# Altium PCB KS_V3S.PcbDoc (continued)
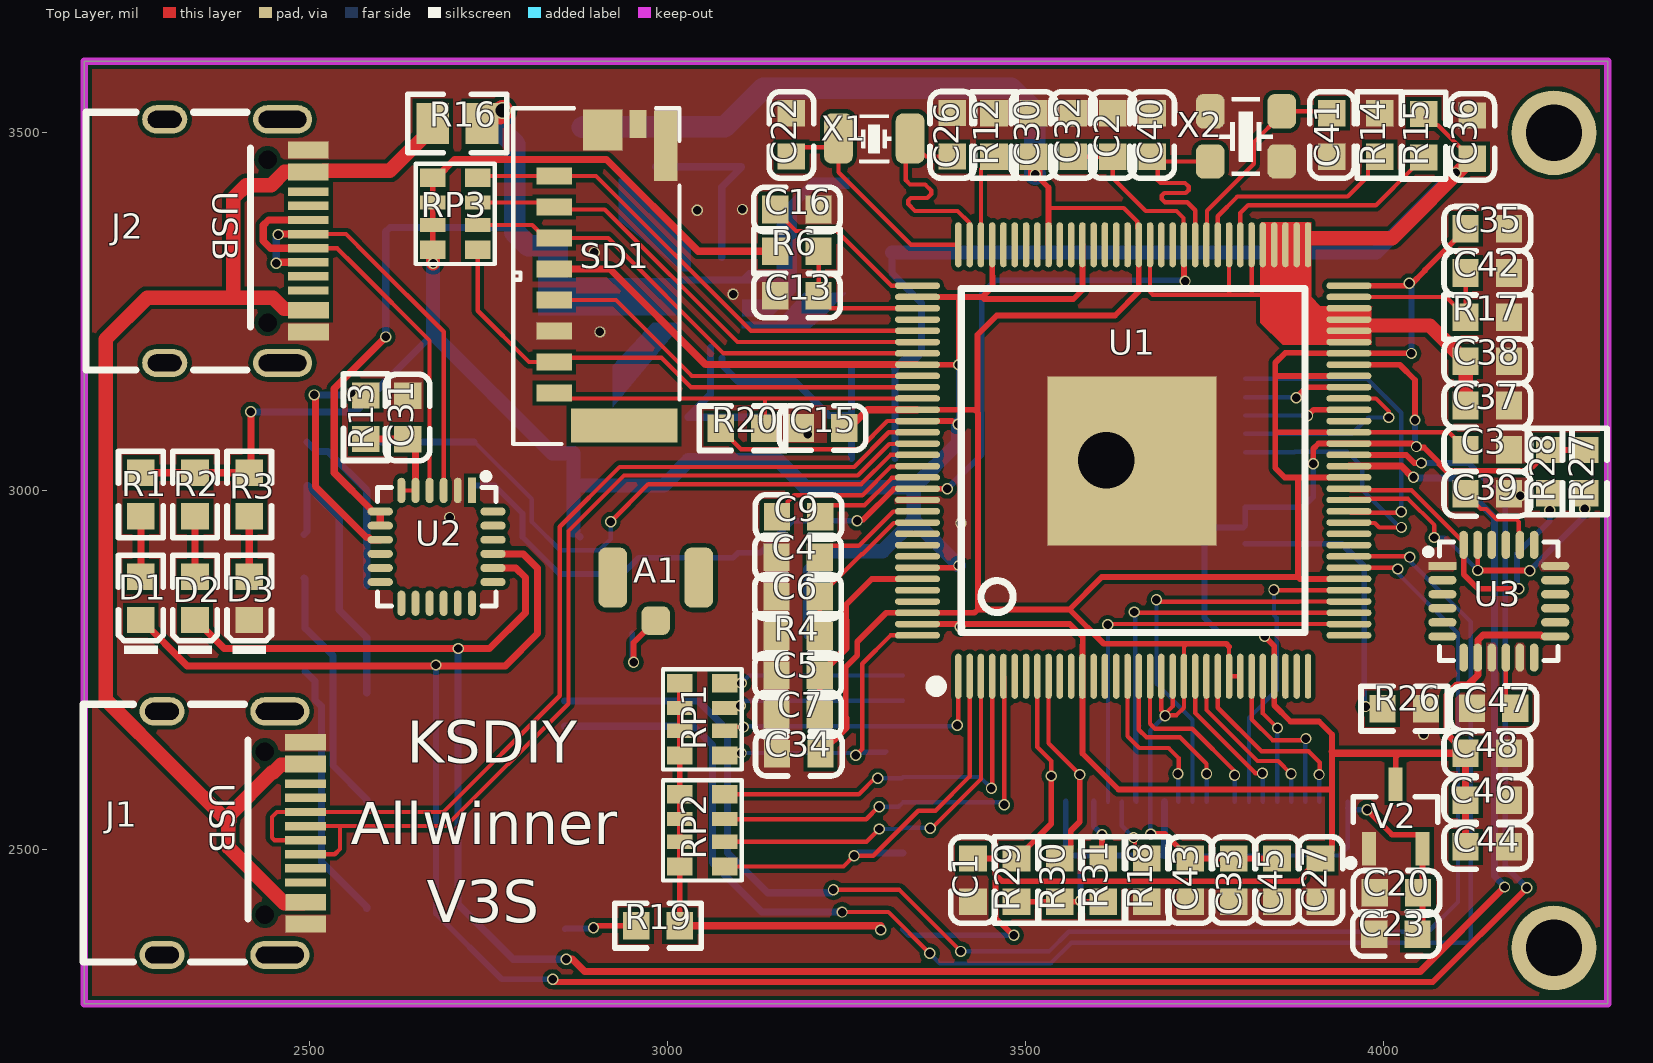
[diagram p0: Top Layer view]
## Nets (pads, with @x,y where several pads share a name; then routed paths per layer and width w, separated by ;. In a path a pad name is that pad's centre, name@x,y a point inside that pad or via, vN(x,y) a via of type N, cw(c..) or ccw(c..) an arc to the next point about the centre after c; other vN are vias at no path point)
1V2: C3.1 C11.2 C12.1 C15.2 C30.1 C33.2 C34.2 C35.2 C43.2 C45.2 FPC_1.15 L1.2 R5.2 U1.19 U1.20 U1.21 U1.25 U1.26 U1.38 U1.47 U1.51 U1.56 U1.58 U1.64 U1.80 U1.88 U1.108 U1.126 | length 5013
  Top Layer w6: 3532.39,3395.18 3637.22,3395.18 3656.15,3376.26 U1.80@3656.15,3367 ; U1.19 3689.87,2693.77 3695,2688.64 3705.62,2699.25 U1.20 ; v1(3695,2686) 3696,2687 3711,2687 3721.36,2697.36 U1.21 3721.36,2782.36 3725.68,2786.68 ; 3784.36,2782.64 U1.25 U1.26 ; U1.51 4091.49,3081.84 4114.68,3058.65 C3.1
  Top Layer w8: C34.2 C34.2@3223,2642.04 ; C15.2@3247.26,3077.8 3247.26,3078.79 C15.2@3251.82,3083.35 ; 3249.1,2683 3249.1,2754.19 3265.34,2770.43 3265.34,2789.42 3305.79,2829.87 U1.126 3429.12,2829.87 3433.8,2834.56 ; U1.108 3429.12,3113.34 3433,3109.45 ; v1(3514,3442) 3532.39,3423.61 3532.39,3395.18 U1.88 ; U1.80 3658.37,3278.37 3625,3245 3460,3245 3433,3218 3433,3109.45 ; v2(3675,2521) 3695.05,2521 3729.1,2486.95 C43.2 C45.2 ; 3784.36,2782.64 3780.32,2786.68 3725.68,2786.68 3609.32,2786.68 3561.44,2834.56 ; U1.38 3883.3,2877.12 3880.55,2879.87 ; U1.47 3880.55,3018.85 ; U1.51 3849.84,3081.84 3849,3081 ; U1.56 3849.58,3160.58 3849,3160 ; U1.64 v1@4036,3286.57 ; v1@4038.18,3287.82 4058,3307.64 4058,3308.33 4114.69,3365.02 C35.2 ; v1(4039,3192) 4038.92,3192.08 U1.58 3894.19,3192.08 3893.27,3193 3863,3193 3849,3179 3849,3160 ; 3433,3109.45 3433.8,3108.65 3433.8,2834.56 ; 3433.8,2834.56 3561.44,2834.56 ; 3561.44,2834.56 3606.75,2879.87 3880.55,2879.87 ; 3849,3081 3849,3160 ; 3849,3081 3849,3032 3862.15,3018.85 3880.55,3018.85 ; 3880.55,2879.87 3880.55,3018.85
  Top Layer w10: C34.2 3214,2634.02 3249.1,2669.13 3249.1,2683 ; C15.2@3254.77,3087.59 3254.77,3088.57 3279.53,3113.34 U1.108
  Top Layer w20: C30.1 3514,3464.08 v1(3514,3442)
  Bottom Layer w6: v2@3674.37,2521 FPC_1.15 3674.37,2665.37 v1(3695,2686)
  Bottom Layer w8: v1(4036,3290) 4039,3287 v1(4039,3192)
  Bottom Layer w10: L1.2 L1.2@2881.42,3507.57
  Bottom Layer w30: L1.2@2881.42,3507.57 2882.56,3508.71 3080.3,3508.71 3134,3562.4 3480.6,3562.4 3513,3530 3513,3443 v1(3514,3442)
1V8: C24.2 C25.1 C36.2 C37.2 C38.2 L3.2 R10.2 R15.1 U1.59 U1.60 U1.61 U1.62 U1.65 U1.66 U1.67 U1.68 U1.69 U1.70 U1.72 U1.79 | length 2164.9
  Top Layer w6: U1.79 3674,3343.57 3674,3278 3678,3274 3787,3274 ; U1.72 3784.36,3276.64 3787,3274 ; U1.70 3815.85,3277.15 3819,3274 ; 3835,3293 3836,3294 ; 3836,3275 3835,3274 3819,3274 ; R15.1 4071.31,3511.01 4075.69,3511.01 4123.02,3463.69 C36.2 ; 3787,3274 3819,3274
  Top Layer w20: 3871,3353 4012.33,3353 C36.2@4123.02,3463.69 ; 3946,3231 4064.68,3231 4098.68,3197 C38.2@4105.39,3190.29 ; C37.2 C38.2
  Bottom Layer w10: L3.2 3314,3303.47 3355,3262.47 3355,3193 3345.52,3183.52 3330.45,3183.52 C24.2 3317.77,3169.58 C25.1
  Bottom Layer w20: L3.2 3990,3333 v1(4101,3444)
2V8: C20.1 C23.1 FPC_1.1 FPC_1.14 FPC_1.21 R29.2 R30.2 R31.1 V2.2 | length 1049.4
  Top Layer w8: R29.2 R31.1 ; v1(3977,2555) 4011.83,2520.17 4048.48,2520.17 4054.32,2514.32 V2.2 4054.32,2387.95 C23.1
  Bottom Layer w6: 3694,2491 3939,2491 3949.96,2501.96 3949.96,2556.91 FPC_1.1
  Bottom Layer w8: FPC_1.21 3556.26,2500.74 3566,2491 3577,2491 ; v2(3577,2428) 3577,2491 ; 3694,2491 3577,2491 ; FPC_1.1@3949.96,2556.91 3951.87,2555 v1(3977,2555)
  Bottom Layer w10: 3694,2491 3694.06,2491.06 FPC_1.14
3V0: C2.1 C28.1 C29.1 C32.1 R21.1 U1.76 U1.115 V1.2 | length 1661
  Top Layer w6: C32.1 C2.1 3621.8,3437.2 3668,3391 3711,3391 3720.78,3381.22 3720.78,3344.27 U1.76
  Top Layer w8: v1(3265.03,2958.44) 3266.51,2959.92 3273.64,2959.92 3316.62,3002.9 3349.08,3002.9 U1.115 3390.9,3003.1 v1(3391,3003) ; U1.76 3721.57,3343.48 3721.57,3294.43 v1(3723,3293)
  Bottom Layer w8: R21.1 2758.71,3007.69 2797.99,2968.41 2797.99,2935.63 2849.62,2884 2937.4,2884 2953.11,2899.71 2960,2906.6 3034,2906.6 3091.91,2906.6 3099,2913.68 3129.68,2913.68 3174.44,2958.44 v1(3265.03,2958.44) ; v1(3391,3003) 3439,3051 3439,3275 3458,3294 3722,3294 v1(3723,3293)
3V3: C1.2 C18.2 C19.1 C27.1 C44.2 C46.2 C48.2 L2.2 R1.1 R2.1 R3.1 R6.2 R8.2 R19.1 R20.1 R27.2 R28.2 RP1.5 RP1.6 RP1.7 RP1.8 RP2.5 RP2.6 RP2.7 RP2.8 RP3.1 RP3.2 RP3.3 RP3.4 SD1.4 ST7789.3 ST7789.4 U1.12 U1.29 U1.50 U1.57 U1.85 U1.93 U1.98 U1.104 U1.109 U1.122 U1.127 U3.8 U3.13 U4.9 U4.22 V1.3 V2.3 | length 8747.5
  Top Layer w6: R20.1 3074.54,3086.61 3102.85,3058.3 3267.95,3058.3 3307.24,3097.59 U1.109
  Top Layer w8: RP3.4 RP3.3 RP3.2 RP3.1 ; R19.1 3017.5,2393.19 RP2.8 RP2.7 RP2.6 RP2.5 RP1.6 RP1.5 ; U1.127 3404,2814.13 3407.94,2810.19 v1(3408.87,2810.19) ; U1.122 v1@3401.31,2892.87 ; U1.109 3397.41,3097.59 ; U1.104 3349.45,3176.17 3406.83,3176.17 v1(3407,3176) 3407,3270.82 ; U1.98 3407,3270.82 ; v1@3408.87,2814.13 3562.08,2814.13 3580,2796.2 3580,2784.88 3579.83,2784.72 3579.83,2741.46 U1.12 3579.63,2633.37 3630,2583 3925,2583 3928,2586 ; C1.2 3453.56,2486.95 3458.24,2482.26 3458.24,2464.5 3459,2463.74 3459,2457.89 3460.07,2456.82 ; U1.93 3453.85,3343.48 3453.85,3300.23 3454,3300.08 3454,3285 3439.82,3270.82 ; 3458.24,2455 3458.24,2403.87 3482.51,2379.6 v2(3483.99,2379.6) ; 3462.99,2459.75 3467.74,2455 3883,2455 3888.66,2460.66 3888.66,2464.59 3911.01,2486.95 C27.1 ; U1.85 3579.63,3280.63 3567,3268 3442.64,3268 3439.82,3270.82 ; v1(3834,2797) 3847.35,2783.65 U1.29 3847.35,2700.65 3870,2678 3910,2678 3928,2660 3928,2636 3928,2586 ; v1(3902,3038) 3902,3059 3909.09,3066.09 U1.50 4039.81,3066.09 4043.9,3062 v1(4046,3062) 4047.48,3060.52 4056.76,3060.52 4078.07,3039.21 4078.07,3037.27 4086.97,3028.38 4202.08,3028.38 4211.05,3037.35 4231.02,3057.32 R28.2 R27.2 ; C27.1@3920,2491 3928,2499 3928,2586 ; U1.57 4022.67,3176.33 4044,3155 v1(4044,3099) ; V2.3 4016.92,2628.08 4022.51,2633.67 ; 3407,3270.82 3439.82,3270.82
  Top Layer w10: R1.1 R2.1 R3.1 2418.58,3027.57 v1(2418.58,3110.45) ; RP3.1 2677.43,3437.39 2702.8,3462.76 2915.24,3462.76 3043.26,3334.74 R6.2 ; SD1.4 2920.16,3309.84 3053.67,3176.33 U1.104 ; R19.1 v1@3295,2393 ; v1(3298,2387) 3298,2388.56 3295,2391.56 v1@3295,2393 ; v1@3298,2393 v1@3295,2393 ; 3928,2636 3930.33,2633.67 4022.51,2633.67 C48.2 ; C44.2 C46.2 C48.2 ; U3.13@4222,2797 4220,2799 4139,2799 4132,2792 4132,2743 4118.29,2729.29 4102.98,2729.29 4088.62,2714.93 4088.62,2660.71 4114.69,2634.65 C48.2
  Top Layer w20: RP3.4 2673,3336.11 v1(2673,3318)
  Bottom Layer w8: U4.22 3337.68,2379.6 v2(3483.99,2379.6) ; v1(3406,3093) 3407,3094 v1(3407,3176) ; v1(3407.18,2895.91) 3408.87,2894.22 v1(3408.87,2810.19) ; v1(3834,2797) 3828,2803 3770,2803 3750,2823 3750,2938 3760.93,2948.93 3804.11,2948.93 ST7789.3 ST7789.4 3887.41,2977.41 3902,2992 v1(3902,3038) ; v1(4044,3099) 4044,3064 v1(4046,3062)
  Bottom Layer w10: v1(2418.58,3110.45) 2564.23,3110.45 2673,3219.22 ; V1.3@2877,2937 V1.3 ; C18.2 3029.47,3042.84 3029.63,3042.69 C19.1
  Bottom Layer w20: v1(2673,3318) 2673,3219.22 2839.47,3052.75 L2.2 2869,3008.14 ; V1.3@2869,2945 2869,3008.14 ; C18.2 3029.32,3042.02 2995.01,3007.71 2869.43,3007.71 2869,3008.14 ; C18.2@3029.47,3042.84 3153.84,3042.84 C19.1 3154.98,3042.69 3192.67,3005 3344,3005 ; U4.9 3199.3,2889.3 3226,2916 3300.92,2916 3344,2959.08 ; v1(3406,3093) 3406,3067 3344,3005 ; v1(3407.18,2895.91) 3344,2959.08 ; 3344,2959.08 3344,3005
5V: C10.1 C14.1 C17.1 C21.1 EA1.7 EA1.8 EA1.9 EA1.10 EA1.16 EA1.18 EA1.19 R16.1 U2.7 U2.8 | length 1050.3
  Top Layer w10: U2.8 U2.7 2587.33,2971.21 2586.86,2971.69 2586.86,2973.48 2535,3025.34 2535,3143 v1(2607,3215)
  Top Layer w30: R16.1 2741.45,3519.1 2749.28,3526.94 2765.94,3526.94 v3(2770,3531)
  Bottom Layer w10: v1(2607,3215) 2607,3362.14 2612.86,3368 2780,3368 2787,3361 ; 3014,3289 3019.5,3294.5 EA1.16
  Bottom Layer w30: v3(2770,3531) 2770,3501 2787,3484 2787,3361 2805.71,3342.29 2836.38,3342.29 2839.68,3338.98 C17.1
5V_IN: J1.A4 J1.A9 J1.B4 J1.B9 J2.A4 J2.A9 J2.B4 J2.B9 R16.2 | length 1762.4
  Top Layer w20: 2394,3270 2394,3409 2412,3427 2447.16,3427 2465.65,3445.49 J2.A4@2478.92,3445.49 ; J1.B9@2475.75,2617.67 2460.63,2617.67 2450.16,2607.2 2448.26,2607.2 2388.31,2547.24 2388.31,2539.08 2386.89,2537.65 ; J2.B4@2477.38,3254.08 2465.28,3254.08 2449.54,3269.81 2394,3269.81 2273.81,3269.81 2216,3212 2216,2708.54 2312.79,2611.75 2386.89,2537.65 ; J1.B4@2494.2,2426.87 2491.67,2424.34 2465.3,2424.34 2386.89,2502.75 2386.89,2537.65 ; J2.A4@2519.86,3446.51 2520.35,3447 2612.65,3447 2672.55,3506.9 R16.2
D+: J1.A6 J1.B6 U1.111 | length 1300.2
  Top Layer w6: J1.B6 2535.68,2492.68 2543,2500 2543,2531.06 2544,2532.06 ; J1.A6 2544,2532.06 ; U1.111 3348.7,3065.51 3309.93,3065.51 3265.91,3021.48 2939.48,3021.48 2862,2944 2862,2703 2691.06,2532.06 2544,2532.06
D-: J1.A7 J1.B7 U1.110 | length 1339.1
  Top Layer w6: J1.A7 2451.63,2512.37 2448.1,2515.9 2448.1,2544.71 2455.14,2551.74 J1.B7 2687.74,2551.74 2850,2714 2850,2950 2933.48,3033.48 3260.94,3033.48 3309.3,3081.84 U1.110
"DCMI RST": FPC_1.19 R31.2 | length 84.8
  Top Layer w8: v2(3607,2520) 3607,2488.76 R31.2
  Bottom Layer w8: FPC_1.19 3595.63,2531.37 v2(3607,2520)
EPHY-LINK-LED: U1.77
EPHY-RTX: R12.2 U1.94 | length 131.2
  Top Layer w6: U1.94 3437.9,3449.37 3455.22,3466.68 R12.2
EPHY-RXN: U1.89
EPHY-RXP: U1.90
EPHY-SPD-LED: U1.78
EPHY-TXN: U1.91
EPHY-TXP: U1.92
GLED: D2.K U1.48 U2.20 | length 3258.7
  Top Layer w10: D2.K 2341.65,2819.69 2381.34,2780 v1(2708,2780) 2752,2780 2802,2830 2802,2879 2788.53,2892.47 U2.20 ; v1(2858.78,2346.15) 2867.85,2346.15 2884.76,2329.24 4051.24,2329.24 v1(4169,2447) ; U1.48 3951.91,3034.8 4025.03,3034.8 4040.9,3018.93 v1(4041.9,3018.93)
  Bottom Layer w10: v1(2708,2780) 2708,2423 2784.85,2346.15 v1(2858.78,2346.15) ; v1(4041.9,3018.93) 4042.9,3017.93 4099.76,3017.93 4155,2962.69 4155,2462.56 4169,2448.56 v1(4169,2447)
GND: C1.1 C2.2 C3.2 C4.2 C5.1 C6.2 C7.1 C8.2 C10.2 C11.1 C13.2 C14.2 C15.1 C16.2 C17.2 C18.1 C20.2 C21.2 C22.2 C23.2 C24.1 C26.2 C27.2 C28.2 C29.2 C30.2 C31.2 C32.2 C33.1 C34.1 C35.1 C36.1 C37.1 C38.1 C39.2 C40.2 C41.2 C42.2 C43.1 C44.1 C45.1 C46.1 C47.1 C48.1 D3.K EA1.1 EA1.4 EA1.5 EA1.12 EA1.13 EA1.15 EA1.17 EA1.21 FPC_1.2 FPC_1.10 FPC_1.23 J1.A1 J1.A12 J1.B1 J1.B12 J2.A1 J2.A12 J2.B1 J2.B12 R4.2 R7.1 R9.1 R11.1 R12.1 R14.1 R17.1 R18.2 R26.2 S1.1 S2.1 S3.1 S4.1 SD1.6 SD1.10 ST7789.1 ST7789.5 ST7789.6 ST7789.12 U1.116 U1.129 U2.2 U3.1 U3.9 U3.11 U3.18 U4.1 U4.3 U4.20 U4.31 U4.33 U4.36 U4.41 U4.44 V1.1 V2.1 X2.2 X2.4
  other v1: 3410,2955 2696,2963 3196,3079 2906,3222 3091.9,3274.7 2898,3333 3042,3392 3105,3393
  other v2: 4056,2660 4191,2993
  other v4: 3613.06,3042.76
HBIAS: U1.119
HPCOM: U1.125
HPCOMFB: U1.124
HPOUTL: U1.121
HPOUTR: U1.120
HPVCCBP: C5.2 C7.2 U1.123 | length 283
  Top Layer w8: C7.2 C5.2 ; 3249.66,2819.56 3249.66,2841.12 3285.45,2876.92 3349.08,2876.92 U1.123
  Top Layer w10: C5.2 3213,2743.69 3249.66,2780.35 3249.66,2819.56
KEYADC0: C8.1 R21.2 R22.2 U1.112 | length 925
  Top Layer w6: v1(2921,2957) 2973.48,3009.48 3270.88,3009.48 3311.74,3050.35 U1.112
  Bottom Layer w6: R21.2 2730.98,3068.32 2810.99,2988.31 2810.99,2956.82 2850.65,2917.16 2905.35,2917.16 2921,2932.81 v1(2921,2957)
  Bottom Layer w10: R22.2 C8.1 R21.2
MCSI-CKN: U1.87
MCSI-CKP: U1.86
MCSI-D0N: U1.82
MCSI-D0P: U1.81
MCSI-D1N: U1.84
MCSI-D1P: U1.83
MICIN1N: C9.1 U1.114 | length 159
  Top Layer w6: C9.1 3213.68,2964.8 3228.98,2980.1 3275.44,2980.1 3313.6,3018.27 3348.7,3018.27 U1.114
MICIN1P: C9.2 U1.113 | length 229.1
  Top Layer w6: C9.2 3168.35,2979.12 3168.35,2985.22 3177.13,2994 3272.36,2994 3312.38,3034.01 3348.7,3034.01 U1.113
NetA1_1: A1.1 U4.2 | length 112
  Top Layer w8: v1(2953,2761) 2953,2788 A1.1
  Bottom Layer w8: U4.2 2951.27,2762.73 v1(2953,2761)
NetC12_2: C12.2 EA1.14 R5.1 R7.2 | length 258.3
  Bottom Layer w10: C12.2 R5.1 3103.37,3452.69 R7.2 3103.68,3452.02 3075.98,3424.32 EA1.14
NetC19_2: C19.2 EA1.3 R8.1 R9.2 | length 234.6
  Bottom Layer w10: EA1.3 3060.24,3134.91 3029.32,3103.98 R9.2 3153.69,3103 C19.2
NetC25_2: C25.2 EA1.2 R10.1 R11.2 | length 343.9
  Bottom Layer w10: EA1.2@3076.24,3185.32 3076.24,3175.76 3099,3153 3178.4,3153 3225.88,3105.53 R10.1 ; C25.2 R11.2
NetC31_1: C31.1 R13.2 U2.5 U2.6 | length 160.4
  Top Layer w6: R13.2@2578,3072.68 2578.5,3072.18 R13.2@2579,3071.68 ; U2.6@2628.21,3000.16 U2.6 U2.5 ; C31.1@2637.44,3069.13 C31.1@2638.43,3069.13
  Top Layer w10: R13.2 2635,3072.68 2637,3074.69 2648.47,3063.21 U2.5
NetC39_1: C39.1 U3.20 | length 113.1
  Top Layer w6: C39.1 4114.68,2995.02 4129.99,2979.71 4130.98,2979.71 4135.98,2974.71 4143.48,2974.71 4158.02,2960.17 4185.49,2960.17 4189,2956.65 4189,2944.16 4189.42,2943.74 4189.42,2938.58 U3.20@4192,2936
NetC47_2: C47.2 U3.10 | length 70.1
  Top Layer w6: U3.10 4170.84,2703.47 C47.2@4175.31,2699
NetD1_A: D1.A R1.2 | length 84.4
  Top Layer w10: D1.A R1.2
NetD2_A: D2.A R2.2 | length 84.4
  Top Layer w10: D2.A R2.2
NetD3_A: D3.A R3.2 | length 84.4
  Top Layer w10: D3.A R3.2
NetEA1_6: EA1.6 L2.1
NetEA1_11: EA1.11 L1.1
NetEA1_20: EA1.20 L3.1
NetR13_1: R13.1 U2.9 | length 303.9
  Top Layer w10: v1(2507,3134) 2507,3133 2509,3131 2509,3006.23 2580.22,2935.02 2583.6,2935.02 2586.78,2931.84 U2.9 ; R13.1@2578.32,3134 R13.1
  Bottom Layer w10: v1(2507,3134) 2554,3134 2557,3137 v1(2559,3137)
NetR15_2: R15.2 U1.71 | length 333
  Top Layer w6: U1.71 3800.1,3388.1 3811,3399 3989.32,3399 4039.71,3449.39 4039.71,3450.38 4055.02,3465.68 R15.2
NetR19_2: R19.2 U4.34 | length 102
  Top Layer w8: v1(2897,2390) 2900,2393 R19.2
  Bottom Layer w8: U4.34 2857.75,2389.03 2896.03,2389.03 v1(2897,2390)
NetR22_1: R22.1 R23.2 S1.2 | length 244.3
  Bottom Layer w10: R23.2 2510.31,3055.01 2526.36,3055.01 2580.51,3000.86 S1.2
NetR23_1: R23.1 R24.2 S2.2 | length 395.2
  Bottom Layer w10: R24.2 2497,2943.32 R23.1 2497.98,3007.69 2511.29,2994.38 2511.29,2993.39 2541.95,2962.73 2541.95,2833.92 2580.51,2795.36 S2.2@2580.51,2717.67
NetR24_1: R24.1 R25.2 S3.2 | length 348.2
  Bottom Layer w10: R24.1 2494,2877.68 R25.2 2494.98,2808.32 2533.12,2770.18 2533.12,2616.69 2580.51,2569.3 2580.51,2567.33
NetR25_1: R25.1 S4.2 | length 367.1
  Bottom Layer w10: R25.1 2494.98,2747.69 2508.29,2734.38 2508.29,2708.14 2517.12,2699.31 2517.12,2482.36 2580.51,2418.97 2580.51,2417
NetR26_1: R26.1 ST7789.2 | length 375.8
  Bottom Layer w8: ST7789.2 3941.78,2926.22 3973,2895 3973,2701 v1(3975,2699)
NetRP1_3: RP1.3 U4.13 | length 256
  Top Layer w6: RP1.3@3077.5,2696.75 3080.75,2700 v1(3102,2700)
  Bottom Layer w6: v1(3102,2700) 3108.95,2706.95 U4.13
NetRP1_4: RP1.4 U4.12 | length 257.4
  Top Layer w6: RP1.4@3077.5,2731.39 3078.89,2730 3080.61,2731.72 v1(3103.26,2731.72)
  Bottom Layer w6: v1(3103.26,2731.72) 3113.92,2742.39 U4.12
PB0/UART2_TX/PB_EINT0: U1.39 U4.43 | length 2088.6
  Top Layer w6: v1(3232,2443) 3324.05,2443 v1(3409.93,2357.12) ; U1.39 4015.5,2892.87 4017.36,2891 v1(4020,2891)
  Bottom Layer w6: v1(3409.93,2357.12) 3533.12,2357.12 3560.51,2384.51 4062.45,2384.51 4104,2426.07 4104,2801.24 4019.69,2885.55 4020,2885.86 v1(4020,2891)
  Bottom Layer w10: U4.43 3043.05,2706.95 3084.13,2665.87 3084.13,2494.87 3140,2439 v1@3229,2439
PB1/UART2_RX/PB_EINT1: U1.40 U4.42 | length 2167.7
  Top Layer w6: v1(3244,2412) 3308.73,2412 v1(3366.36,2354.36) ; U1.40 4035.67,2908.61 v1(4036.62,2907.66)
  Bottom Layer w6: v1(3366.36,2354.36) 3380.48,2340.24 3535.24,2340.24 3564,2369 4118.49,2369 4122,2372.51 4122,2817 4036.62,2902.38 v1(4036.62,2907.66)
  Bottom Layer w10: U4.42 3036.48,2671.52 3063,2645 3063,2481 3132,2412 v1(3244,2412)
PB2/UART2_RTS/PB_EINT2: U1.41
PB3/UART2_CTS/PB_EINT3: U1.42
PB4/PWM0/PB_EINT4: ST7789.7 U1.43 | length 357.1
  Top Layer w6: U1.43 3952.29,2955.27 3987.73,2955.27 3994,2949 v1(4025,2949)
  Bottom Layer w6: ST7789.7 3875.83,3054.18 3876.53,3054.87 3949.03,3054.87 3970.31,3033.59 3970.31,3001.47 4022.79,2949 v1(4025,2949)
PB5/PWM1/PB_EINT5: ST7789.11 U1.44 | length 450.2
  Top Layer w6: U1.44 3953.93,2969.39 4023.23,2969.39 v1(4024.75,2970.91)
  Bottom Layer w6: ST7789.11 3977.43,3156.46 4024.75,3109.14 v1(4024.75,2970.91)
PB6/TWI0_SCK/PB_EINT6: R27.1 U1.45 U3.23 | length 491.7
  Top Layer w6: U1.45 3953.29,2988.94 4034.34,2988.94 4071,2952.28 v1(4071,2935) ; v2(4131.64,2889.04) U3.23@4131.64,2936
  Top Layer w8: v2(4131.64,2889.04) 4203.66,2889.04 v2(4204.13,2888.57) ; v2(4281,2975) R27.1
  Bottom Layer w6: v1(4071,2935) 4085.67,2935 v2(4131.64,2889.04)
  Bottom Layer w8: v2(4204.13,2888.57) 4281,2965.43 v2(4281,2975)
PB7/TWI0_SDA/PB_EINT7: R28.1 U1.46 U3.24 | length 475.6
  Top Layer w6: U1.46 3953.76,3001.05 4039.2,3001.05 4111.89,2928.36 U3.24@4111.89,2924.85
  Top Layer w8: U3.24 4111.94,2924.58 4111.94,2883.45 4131.88,2863.52 v2(4189.02,2863.52) ; R28.1@4231.02,2996.69 R28.1 v2(4232,2973)
  Bottom Layer w8: v2(4189.02,2863.52) 4186.26,2866.28 4186.26,2912.26 4232,2958 v2(4232,2973)
PB9/TWI1_SDA/UART0_RX/PB_EINT9: D1.K U1.49 U2.21 | length 3523.9
  Top Layer w8: v1(2839.96,2318.15) 2843.87,2314.24 4068.86,2314.24 4200,2445.39 v1(4200,2446) ; U1.49 4031.65,3050.35 4043,3039 v1(4053,3039)
  Top Layer w10: D1.K 2265.98,2819.69 2329.88,2755.79 2773.79,2755.79 2819,2801 2819,2892 2798.84,2912.16 U2.21
  Bottom Layer w8: v1(2677,2757) 2677,2410 2768.85,2318.15 v1(2839.96,2318.15) ; v1(4053,3039) 4119,3039 4119.68,3038.32 4170,2988 4170,2476 v1(4200,2446)
PC0/SPI_MISO: U1.52
PC1/SPI_CLK: ST7789.9 U1.53 | length 148.2
  Top Layer w8: v1(3894,3105) 3902.34,3113.34 U1.53
  Bottom Layer w6: ST7789.9 v1@3894,3105.28
PC2/SPI_CS: ST7789.8 U1.54 | length 281.6
  Top Layer w6: U1.54 3989.32,3129.09 4007.5,3110.91 v1(4007.5,3102.53)
  Bottom Layer w6: ST7789.8 3956.11,3079.77 3978.87,3102.53 v1(4007.5,3102.53)
PC3/SPI_MOSI: ST7789.10 U1.55 | length 150.9
  Top Layer w8: v1(3878,3130) 3892.83,3144.83 U1.55
  Bottom Layer w6: ST7789.10 v1@3878,3130.87
PE0/CSI_PCLK/LCD_CLK: FPC_1.8 U1.37 | length 418.4
  Top Layer w6: v1(3847,2862) 3847.63,2861.37 U1.37
  Bottom Layer w6: FPC_1.8 3812.17,2683.17 3850.87,2721.87 3850.87,2822.75 3847,2826.62 v1(3847,2862)
PE1/CSI_MCLK/LCD_DE: FPC_1.12 U1.36 | length 572.7
  Top Layer w6: v1(3683,2848) 3685.64,2848 3688.51,2845.13 3881.42,2845.13 3881.92,2845.62 U1.36
  Bottom Layer w6: v1(3683,2848) 3683,2731 3733.43,2680.57 FPC_1.12
PE2/CSI_HSYNC/LCD_HSYNC: FPC_1.16 U1.35 | length 673.6
  Top Layer w6: v1(3652,2831) 3653.13,2829.87 U1.35
  Bottom Layer w6: v1(3652,2831) 3653.34,2829.66 3653.34,2567.59 FPC_1.16 3654.69,2667.69 3659,2672
PE3/CSI_VSYNC/LCD_VSYNC: FPC_1.18 U1.34 | length 584.1
  Top Layer w6: v1(3615,2813) 3616.13,2814.13 U1.34
  Bottom Layer w6: v1(3615,2813) 3615.32,2812.68 FPC_1.18
PE4/CSI_D0/LCD_D2: U1.33
PE5/CSI_D1/LCD_D3: U1.32
PE6/CSI_D2/LCD_D4: U1.31
PE7/CSI_D3/LCD_D5: U1.30
PE8/CSI_D4/LCD_D6: FPC_1.6 U1.28 | length 183.6
  Top Layer w6: U1.28 3831.6,2689.4 v1(3852,2669)
  Bottom Layer w6: FPC_1.6 3851.54,2664.54 3852,2665 v1(3852,2669)
PE9/CSI_D5/LCD_D7: FPC_1.4 U1.27 | length 230.6
  Top Layer w6: U1.27 3815.85,2681.28 3845.01,2652.13 3889.65,2652.13 v1(3891.74,2654.22)
  Bottom Layer w6: FPC_1.4 v1@3890.91,2648.09
PE10/CSI_D6/LCD_D10: FPC_1.3 U1.24 | length 273.3
  Top Layer w6: U1.24 3768.61,2697.39 3829.55,2636.45 3895.49,2636.45 3911,2620.94 3911,2605 v1(3910,2604)
  Bottom Layer w6: v1(3910,2604) 3910.3,2603.7 3910.3,2566.55 FPC_1.3
PE11/CSI_D7/LCD_D11: FPC_1.5 U1.23 | length 241
  Top Layer w6: U1.23 3752.86,2694.14 3824.13,2622.87 3853.13,2622.87 v1(3871,2605)
  Bottom Layer w6: v1(3871,2605) 3871.11,2604.89 3871.11,2566.36 FPC_1.5
PE12/CSI_D8/LCD_D12: FPC_1.7 U1.22 | length 220.1
  Top Layer w6: U1.22 3737.11,2689.89 3821,2606 v1(3831,2606)
  Bottom Layer w6: v1(3831,2606) 3831.43,2605.57 3831.43,2566.68 FPC_1.7
PE13/CSI_D9/LCD_D13: FPC_1.9 U1.18 | length 254.5
  Top Layer w6: U1.18 3674.12,2674.88 3681,2668 3733,2668 3792,2609 v1(3792,2603)
  Bottom Layer w6: v1(3792,2603) 3792.24,2602.76 3792.24,2566.49 FPC_1.9
PE14/CSI_D10/LCD_D14: FPC_1.11 U1.17 | length 241.8
  Top Layer w6: U1.17 3658.37,2666.63 3669,2656 3716,2656 3753,2619 v1(3753,2605)
  Bottom Layer w6: v1(3753,2605) 3753.06,2604.94 FPC_1.11 FPC_1.11
PE15/CSI_D11/LCD_D15: FPC_1.13 U1.16 | length 229.3
  Top Layer w6: U1.16 3642.62,2657.38 3659,2641 3700,2641 3714,2627 3714,2606 v1(3713,2605)
  Bottom Layer w6: v1(3713,2605) 3713.37,2604.63 3713.37,2566.62 FPC_1.13
PE16/CSI_D12/LCD_D18: U1.15
PE17/CSI_D13/LCD_D19: U1.14
PE18/CSI_D14/LCD_D20: U1.13
PE19/CSI_D15/LCD_D21: U1.11
PE20/CSI_FIELD/CSI_MIPI_MCLK: U1.10
PE21/CSI_SCK/TWI1_SCK/UART1_TX: FPC_1.20 R30.1 U1.9 | length 322.3
  Top Layer w6: U1.9 3532.39,2647.61 v1(3576,2604)
  Top Layer w8: R30.1 3549.16,2486.95 3563.46,2501.25 3563.46,2525.46 3576,2538 v1(3576,2604)
  Bottom Layer w6: FPC_1.20 3575.95,2603.95 v1(3576,2604)
PE22/CSI_SDA/TWI1_SDA/UART1_RX: FPC_1.22 R29.1 U1.8 | length 319
  Top Layer w6: U1.8 3516.64,2642.36 3536,2623 v1(3536,2602)
  Top Layer w8: R29.1 3488.52,2486.95 3502.83,2501.25 3502.83,2502.24 3536,2535.41 v1(3536,2602)
  Bottom Layer w6: v1(3536,2602) 3536.29,2601.71 3536.29,2566.54 FPC_1.22
PE23/LCD_D22: U1.7
PE24/LCD_D23: U1.6
PF0/SDC0_D1/JTAG_MS1: R20.2 SD1.8 U1.107 | length 563
  Top Layer w6: SD1.8 2849.69,3129.09 3138,3129.09 ; R20.2@3136.32,3077 3136.32,3127.4 3138,3129.09 ; U1.107 3138,3129.09
PF1/SDC0_D0/JTAG_DI1: RP3.5 SD1.7 U1.106 | length 748.1
  Top Layer w6: RP3.5 2735.5,3251.5 2807.08,3179.92 SD1.7 2848.24,3186 2992,3186 3033.17,3144.83 U1.106
PF2/SDC0_CLK/UART0_TX: SD1.5 U1.105 | length 551
  Top Layer w6: SD1.5 2928.44,3266.54 3034.39,3160.58 U1.105
PF3/SDC0_CMD/JTAG_DO1: RP3.6 SD1.3 U1.103 | length 688
  Top Layer w6: RP3.6 2811.56,3371.25 2829.67,3353.15 SD1.3 2917.51,3353.15 3078.58,3192.08 U1.103
PF4/SDC0_D3/UART0_RX: RP3.7 SD1.2 U1.102 | length 694.5
  Top Layer w6: RP3.7 2835.87,3402.75 SD1.2 2845.62,3393 2912.79,3393 3097.97,3207.83 U1.102
PF5/SDC0_D2/JTAG_CK1: RP3.8 SD1.1 U1.101 | length 704.3
  Top Layer w6: RP3.8 2737.87,3439.76 SD1.1 2900.62,3439.76 3116.81,3223.57 U1.101
"PF6/USB ID": U1.100
PG0/SDC1_CLK/PG_EINT0: RP2.3 U1.5 U4.17 | length 581.1
  Top Layer w6: RP2.3 3277.75,2541.75 3295,2559 v1(3296,2559) ; U1.5 3470.49,2740.16 v1(3470.49,2561.8)
  Bottom Layer w6: v1(3296,2559) 3323,2559 U4.17 3467.07,2565.22 v1(3470.49,2561.8)
PG1/SDC1_CMD/PG_EINT1: RP2.4 U1.4 U4.16 | length 545.6
  Top Layer w6: RP2.4 3267.39,2576.39 3290,2599 v1(3294,2599) ; v1(3452.59,2584.81) 3453.65,2585.87 U1.4
  Bottom Layer w6: v1(3294,2599) 3327.57,2599 U4.16 3436.75,2600.65 v1(3452.59,2584.81)
PG2/SDC1_D0/PG_EINT2: RP2.2 U1.3 U4.18 | length 537.1
  Top Layer w6: RP2.2 3278.25,2510.25 v1(3296,2528) ; v1@3368.01,2527.99 3437.9,2597.87 U1.3
  Bottom Layer w6: v1(3296,2528) 3327.43,2528 U4.18 3366.21,2529.79 v1(3367,2529)
PG3/SDC1_D1/PG_EINT3: RP2.1 U1.2 U4.19 | length 603.7
  Top Layer w6: RP2.1 3245.92,2475.61 v1(3260.86,2490.54) 3287.52,2490.54 3350.47,2553.5 3374.5,2553.5 3422.15,2601.15 U1.2
  Bottom Layer w10: v1(3260.86,2490.54) 3262.42,2490.54 3266.23,2494.35 U4.19
PG4/SDC1_D2/PG_EINT4: RP1.2 U1.1 U4.14 | length 395.1
  Top Layer w6: RP1.2@3080.24,2668 3082.59,2670.35 v1(3106.35,2670.35) ; v1@3406.4,2673 U1.1
  Bottom Layer w6: v1(3106.35,2670.35) 3107.52,2671.52 U4.14 3403.52,2671.52 v1(3405,2673)
PG5/SDC1_D3/PG_EINT5: RP1.1 U1.128 U4.15 | length 501
  Top Layer w6: RP1.1@3077.5,2630.61 3080.89,2634 v1(3103,2634) ; v1(3263.27,2630.83) 3272.11,2639.67 3272.11,2758.82 3311.67,2798.38 U1.128
  Bottom Layer w6: v1(3103,2634) 3303.98,2634 3306.07,2636.09 3268.53,2636.09 v1(3263.27,2630.83)
PWDN: FPC_1.17 R18.1 | length 94.6
  Top Layer w6: v2(3651,2516) 3651,2513.36 3653.16,2511.21 3653.16,2502.25 3668.46,2486.95 R18.1
  Bottom Layer w6: FPC_1.17 3634.5,2565.75 3634.5,2532.5 v2(3651,2516)
RESET: C13.1 R6.1 U1.99 | length 207.9
  Top Layer w6: R6.1 C13.1 3211.32,3271.71 3227.96,3255.07 U1.99
RTC-VIO: C16.1 U1.97 | length 243.3
  Top Layer w6: C16.1 3150.69,3392.02 3179.67,3363.03 3236.56,3363.03 3313.03,3286.57 U1.97
RXT: U2.13
SVREF: C42.1 R17.2 U1.63 | length 235.9
  Top Layer w6: U1.63 4087.52,3270.82 R17.2@4114.68,3243.65 ; R17.2 R17.2@4114.68,3243.65 ; C42.1 R17.2@4114.68,3243.65
SZQ: R14.2 U1.73 | length 307.4
  Top Layer w6: U1.73 3768.61,3383.61 3796,3411 3950,3411 3978.38,3439.38 3978.38,3451.38 3993.68,3466.68 R14.2
TXT: U2.14
USB_DM_2: J2.A7 J2.B7 U2.4 | length 586.7
  Top Layer w6: J2.A7 2539.06,3338.94 2565,3313 2668.16,3209.84 U2.4
  Top Layer w10: J2.A7 2446.06,3338.94 2436,3349 2436,3371 2443.31,3378.31 J2.B7
USB_DP_2: J2.A6 J2.B6 U2.3 | length 595.6
  Top Layer w6: J2.A6 2551.38,3358.62 2583,3327 2687.84,3222.16 U2.3
  Top Layer w10: v1(2454,3318) 2455.25,3319.25 J2.B6 ; v1(2457,3358) 2457.62,3358.62 J2.A6
  Bottom Layer w10: v1(2454,3318) 2454,3355 v1(2457,3358)
VAR1: C4.1 U1.117 | length 163.5
  Top Layer w6: C4.1 3213,2908.19 3228.3,2923.5 3267.5,2923.5 3315.4,2971.4 3349.07,2971.4 U1.117
VAR2: C6.1 R4.1 U1.118 | length 214.1
  Top Layer w6: 3213,2818.04 3213,2853.36 3271.14,2911.5 3272.47,2911.5 3316.24,2955.27 3348.7,2955.27 U1.118
X24MIN: C40.1 U1.75 X2.1 | length 317
  Top Layer w6: C40.1 C40.1@3683.68,3460 ; U1.75 3737.11,3391.89 3726,3403 3695,3403 3690.49,3407.51 3690.49,3412.49 3694,3416 3724,3416 3728,3420 3728,3425 3723,3430 3688.51,3430 3685,3433.51 3685,3458.68 C40.1@3683.68,3460 ; X2.1@3758,3452.21 X2.1 C40.1@3683.68,3460
X24MOUT: C41.1 U1.74 X2.3 | length 301
  Top Layer w6: U1.74 3753.44,3344.27 3753.44,3391.26 3819,3456.82 3819,3487 3858,3526 X2.3 3925.31,3530 C41.1
X32KIN: C22.1 U1.96 X1.2 | length 320.5
  Top Layer w6: C22.1 3186.47,3480 X1.2@3232,3480 ; X1.2 3239,3445 3340.32,3343.68 U1.96
X32KOUT: C26.1 U1.95 X1.1 | length 323.7
  Top Layer w6: X1.1@3337,3477 3333,3473 3333,3434 3339,3428 3360,3428 3368.51,3419.49 3368.51,3414.51 3363,3409 3340,3409 3336.49,3405.49 3336.49,3400.51 3346,3391 3405.19,3391 3421.57,3374.62 3421.57,3344.27 U1.95 ; X1.1@3342,3486 3361.11,3466.89 C26.1 C26.1@3398.87,3466.89
pads on no net: A1.2 FPC_1.24 FPC_1.25 FPC_1.26 J1.0 J1.1 J1.A5 J1.A8 J1.B5 J1.B8 J2.0 J2.1 J2.A5 J2.A8 J2.B5 J2.B8 SD1.9 U2.1 U2.10 U2.11 U2.12 U2.15 U2.16 U2.17 U2.18 U2.19 U2.22 U2.23 U2.24 U3.2 U3.3 U3.4 U3.5 U3.6 U3.7 U3.12 U3.14 U3.15 U3.16 U3.17 U3.19 U3.21 U3.22 U4.4 U4.5 U4.6 U4.7 U4.8 U4.10 U4.11 U4.21 U4.23 U4.24 U4.25 U4.26 U4.27 U4.28 U4.29 U4.30 U4.32 U4.35 U4.37 U4.38 U4.39 U4.40

## Polygon pours and split planes (outlines as drawn)
GND on Bottom Layer "GND_L02_P001" (solid, pour order 1): 2183.68,3604.78 4315.68,3604.78 4315.68,2290.78 2188.68,2290.78 2188.68,3599.78 2196.68,3607.78
GND on Top Layer "GND_L01_P000" (solid, pour order 0): 2179,3606 4316,3606 4316,2292 4308,2284 4306,2286 2179,2286 2179,3614 2181,3616

## Keep-outs
Keep-Out Layer:
  the board outline again, w10

## Other copper
Top Layer:
  region net 1V8: 3828,3313 3828,3235 3859,3204 3983,3204 3983,3257 3984,3258 3912,3258 3899,3271 3899,3375 3829,3375 3829,3314
Bottom Layer:
  region net 5V: 3105.03,3243.7 3145.38,3243.38 3181,3279 3181,3397 3206,3422 3254,3422 3254,3437 3203,3437 3153,3387 3153,3308 3113,3308 3105,3300 3105,3293 3148,3293 3151,3290 3151,3270 3148,3267 3105,3267 3105,3245
  region: 3105,3267
  region net NetEA1_6: 2924,3175 2980,3235 3016,3235 3016,3228 2924,3117
  region net NetEA1_20: 3104,3227 3199,3227 3214,3240 3249,3275 3249,3277 3191,3277 3153,3236 3104,3236
  region net NetEA1_11: 2935,3436 3027,3344 3033,3344 3033,3308 3032,3307 3021,3307 2932,3378 2932,3436 2934,3436
  region net 5V: 3015,3245 2820,3245 2820,3356 2819,3357 2861,3357 2861,3299 2863,3297 3016,3297 3016,3244

## Silkscreen, mask and mechanical layers (free items; w line width, h text height)
Top Overlay:
  text "KSDIY" at 2636,2601.2 h100
  text "Allwinner" at 2558,2487.02 h100
  text "V3S" at 2664,2378.2 h100

## Text inside footprints (layer, text, board x,y; h text height)
FPC_1: Bottom Overlay "1" at 3959.8,2609.56 h59.06; Bottom Overlay "24" at 3540.51,2609.56 h59.06
J1: Top Overlay "USB" at 2349.53,2592.21 h59.06 r270
J2: Top Overlay "USB" at 2353.31,3418.77 h59.06 r270